# Altium PCB PCB.PcbDoc (continued)
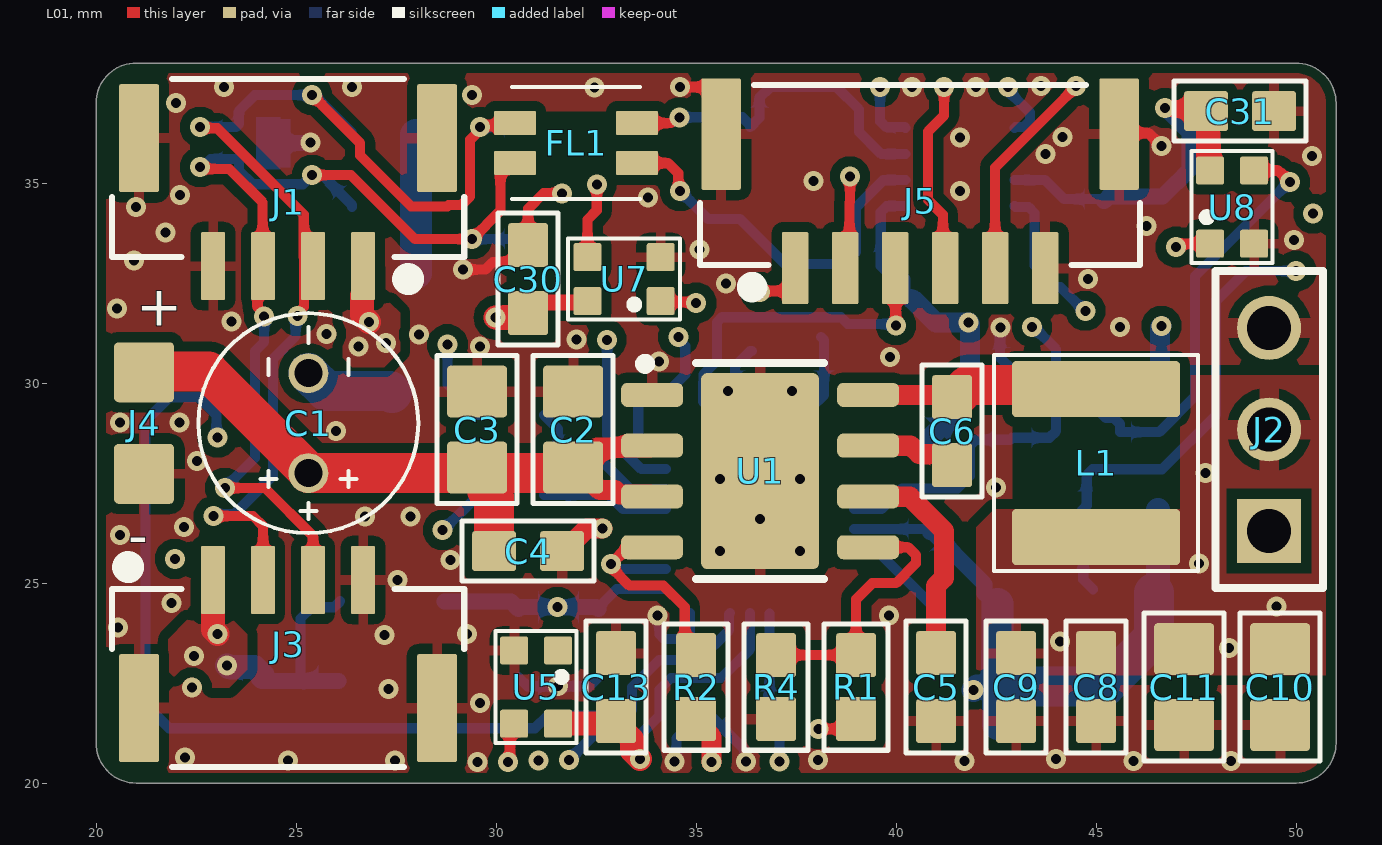
[diagram p0: L01 view]
## Footprints (in the part's own frame and the unit in brackets; to place one, negate y for a bottom-side part, rotate by r counter-clockwise, add the part's x,y. Pads: shape width x height; smd on the part's side, far side on the other; paste and mask are expansions set on the pad) (continued)
SOT-23-5 [mm]
  rrect10% 1.1x0.6 smd: 1(-1.3,0.95) 2(-1.3,0) 3(-1.3,-0.95) 4(1.3,-0.95) 5(1.3,0.95)
  silkscreen extent -1.51,-1.6 1,2.11, body extent -1.4,-1.45 1.4,1.45, height 1.45
STM32L431KCU6-Footprint-1 [mm]
  rrect10% 0.6x0.3 smd: 1(-2.35,1.75) 2(-2.35,1.25) 3(-2.35,0.75) 4(-2.35,0.25) 5(-2.35,-0.25) 6(-2.35,-0.75) 7(-2.35,-1.25) 8(-2.35,-1.75) 17(2.35,-1.75) 18(2.35,-1.25) 19(2.35,-0.75) 20(2.35,-0.25) 21(2.35,0.25) 22(2.35,0.75) 23(2.35,1.25) 24(2.35,1.75)
  rrect10% 0.3x0.6 smd: 9(-1.75,-2.35) 10(-1.25,-2.35) 11(-0.75,-2.35) 12(-0.25,-2.35) 13(0.25,-2.35) 14(0.75,-2.35) 15(1.25,-2.35) 16(1.75,-2.35) 25(1.75,2.35) 26(1.25,2.35) 27(0.75,2.35) 28(0.25,2.35) 29(-0.25,2.35) 30(-0.75,2.35) 31(-1.25,2.35) 32(-1.75,2.35)
  rrect5% 3.45x3.45 smd paste-2539.97: 33(0,0)
  silkscreen extent -3.3,-2.6 2.6,2.65, body extent -2.5,-2.5 2.5,2.5, height 0.61
TJA1051TK_3,118-Footprint-1 [mm]
  rrect15% 0.525x0.3 smd: 1(-1.362,0.975) 2(-1.362,0.325) 3(-1.362,-0.325) 4(-1.362,-0.975) 5(1.362,-0.975) 6(1.362,-0.325) 7(1.362,0.325) 8(1.362,0.975)
  rrect15% 1.65x2.45 smd paste-2539.97: 9(0,0)
  silkscreen extent -2.08,1.5 -1.82,1.75, body extent -1.5,-1.5 1.5,1.5, height 1.01
TYS5040220M-10-Footprint-1 [mm]
  rrect15% 1.4x4.2 smd paste-2539.97: 1(-1.85,0) 2(1.85,0)
  silkscreen extent -2.7,-2.55 2.7,2.55, body extent -2.5,-2.5 2.5,2.5, height 4.16
WS2812B-2020-Footprint-1 [mm]
  rrect15% 0.7x0.7 smd: 1(0.915,-0.55) 2(0.915,0.55) 3(-0.915,0.55) 4(-0.915,-0.55)
  silkscreen extent -1.4,-1.02 1.4,1.02, body extent -1.1,-1 1.1,1, height 0.85

## Part data
C1: library part CMP-00301-1, "CAP ALUM 4.7UF 20% 100V RADIAL", Capacitance=4.7uF, Voltage=100V, Height=11mm
C2: library part CMP-00124-2, "CAP CER 1UF 100V X7S 0805", Case/Package=0805, Tolerance=10%, Voltage Rating=100V, TCR=X7S
C3: library part CMP-00299-1, "CAP CER 0.22UF 100V X7R 0805", Capacitance=220nF, Package=0805, Voltage=100V, TCR=X7R
C4: library part CMP-00249-4, "CAP CER 0.1UF 100V X7R 0603", Package=0603, Temperature Coefficient=X7R, Voltage=100V
C5 C8: library part CMP-00096-4, "CAP CER 1UF 50V X5R 0603", Capacitance=1uF, Dielectric=X5R, Package=0603, Voltage=50V
C6 C9: library part CMP-00018-7, "CAP CER 0.1uF 50V X7R 0603", Capacitance=100nF, Case/Package=0603, Dielectric=X7R, Max Operating Temperature=125°C, Min Operating Temperature=-55°C, Tolerance=10%, Voltage=50V, Depth=0.8mm, Height=0.8mm, Lead Free="Lead Free", Length=1.6mm, Mount="Surface Mount", Voltage Rating (DC)=50V
C10 C11: library part CMP-001-00027-2, "CAP CER 10uF 50V X5R 0805", Case/Package=0805, Dielectric=X5R, Voltage Rating=50V
C13 C22 C30 C31: library part CMP-00057-2, "CAP CER 0.1UF 25V X7R 0603", Capacitance=100nF, Case/Package=0603, Dielectric=X7R, Tolerance=10%, Voltage Rating=25V
C14 C15 C23: library part CMP-001-00003-9, "CAP CER 100nF 16V X7R 0603", Capacitance=100nF, Package=0603, Temperature Coefficient=X7R, Voltage=16V
C16: library part CMP-001-00045-2, "CAP CER 4.7UF 10V X7R 0603", Capacitance=4.7uF, Package=0603, Temperature Coefficient=X7R, Voltage=10V
C19 C20: library part CMP-00240-2, "CAP CER 1UF 25V X7R 0603", Capacitance=1uF, Temperature Coefficient=X7R, Tolerance=10%, Voltage Rating=25V, Mounting Technology="Surface Mount"
C21: library part CMP-001-00036-3, "CAP CER 0.1UF 25V X7R 0603", Capacitance=0.1uF, Package=0603, Temperature Coefficient=X7R, Voltage Rating=25V
C24 C25 C26 C27: library part CMP-00246-3, "CAP CER 22PF 50V C0G/NPO 0603", Package=0603, Temperature Coefficient=C0G,NP0, Tolerance=5%, Voltage=50V
C28: library part CMP-00217-1, "CAP CER 10nF 25V X7R 0603", Capacitance=10nF, Package=0603, Temperature Coefficient=X7R, Voltage Rating=25V
C29: library part CMP-001-00080-1, "CAP CER 4700PF 50V X7R 0603", Capacitor Type=Ceramic, Case/Package=0603, Max Operating Temperature=125°C, Min Operating Temperature=-55°C, Package Shape=Rectangular, Package Style=SMTMeter, Rated DC Voltage (URdc)=50V, Temperature Characteristics Code=X7R, Tolerance  (fill in as +-)=10%, Dielectric Material=Ceramic, Height=0.9mm, JESD-609 Code=e3, Length=1.6mm, Mounting Technology="Surface Mount", Multilayer=Yes, Packaging="Tape and Reel", Pins=2, Reach SVHC Compliant=Yes, Reference Standard=AEC-Q200, RoHS Compliant=Yes, Terminal Finish=Nickel, Termination=Wraparound, Tolerance (fill in as +-)=10%, Width=0.8mm
D3: library part CMP-00239-5, "TVS DIODE 24VWM 43VC DFN1412D-3"
FL1: library part CMP-00243-2, "CMC 50UH 115MA 2LN 2.3KOHM SMD"
J1 J3: library part CMP-068-000000-5, "Conn Shrouded Header HDR 4 POS 1.25mm Solder RA SMD Reel", Entry Type=R/A, Pins=4, Series=JST-GH
  J1: Height=4.35m
J2: library part CMP-00111-3, "CONN HDR 3 POS 2.54", Connector Type="Male Pin", Mount="Through Hole", Pitch=100mil, Positions=3
J4: library part CMP-00296-1, "Solder Pad 2 Pins, 2.54mm pitch, 1.27mm pad size"
J5: library part CMP-002-00014-8, "Connector Header Surface Mount 6 position 0.049\" (1.25mm)", Entry Type=Vert, Pins=6, Series=JST-GH
L1: library part CMP-00298-2, "FIXED IND 22UH 1.5A 129 MOHM SMD", Inductance=22uH, DCR=129mΩ, Saturation=1.5A
Q2: library part CMP-00295-3, "MOSFET N-CH 50V 220MA SOT23-3"
R1: library part CMP-009-00000-5, "GENERIC 0603 RES", Package=0603, Power=?, Resistance=?, Tolerance=?
R2 R4 R5 R10 R11 R12: library part CMP-009-00006-5, "RES 10K OHM 1% 1/10W 0603", Package=0603, Power=1/10W, Resistance=10k, Tolerance=1%
R3: library part CMP-00300-1, "RES 0.22 OHM 1% 1/3W 0805", Package=0805, Power=1/3W, Resistance=220m, Tolerance=1%
R6 R7: library part CMP-009-00084-2, "RES 10 OHM 1% 1/10W 0603", Package=0603, Power=1/10W, Resistance=10, Tolerance=1%
R8 R9: library part CMP-00245-1, "RES 60.4 OHM 1% 1/10W 0603", Power=100mW, Tolerance=1%
U1: library part CMP-00297-1, "IC REG BUCK ADJ 1A 8SOPWR"
U2: library part CMP-00224-6, "IC MCU 32BIT 256KB FLSH 32UFQFPN"
U4: library part CMP-00225-4, "IC REG LINEAR 3.3V 500MA SOT23-5"
U5 U7 U8: library part CMP-00294-3, "LED Neopixel 2mm"
U6: library part CMP-00219-3, "IC TRANSCEIVER HALF 1/1 8HVSON"
X1: library part CMP-00242-3, "OSC XO 8.000MHZ CMOS SMD", Frequence Stability=25ppm, Frequency=8MHz

## Via types
v1: diameter 0.5, hole 0.25, L01 to L06, tented both sides, 137 vias

## Nets (pads, with @x,y where several pads share a name; then routed paths per layer and width w, separated by ;. In a path a pad name is that pad's centre, name@x,y a point inside that pad or via, vN(x,y) a via of type N, cw(c..) or ccw(c..) an arc to the next point about the centre after c; other vN are vias at no path point)
BOOT: C6.2 U1.7 | length 2.3
  L01 w0.5: U1.7 40.365,28.435 40.574,28.226 41.174,28.226 C6.2@41.4,28
BOOT0: R5.2 U2.31 | length 2.4
  L06 w0.254: U2.31 37.873,28.973 37.873,29.235 37.874,29.236 37.874,29.376 38.2,29.702 38.2,31.079 R5.2@38.124,31.155
CAN1_RX: R7.2 U2.21 | length 3.2
  L06 w0.254: R7.2 32.83,27.2 33.18,26.85 U2.21
CAN1_TX: R6.2 U2.22 | length 4
  L06 w0.254: R6.2 31.545,28.855 31.545,28.508 31.853,28.2 32.508,28.2 33.358,27.35 U2.22
CAN_H: C25.2 D3.2 FL1.1 J1.2 J3.2 R9.2 | length 29
  L01 w0.254: v1(22.6,36.4) 22.631,36.369 23.031,36.369 25.193,34.207 25.193,33.156 25.225,33.124 25.195,33.094 25.195,31.902 25.034,31.741 v1(25.034,31.674) ; v1(22.938,26.675) 23.925,26.675 24.175,26.425 J3.2 ; v1(25.4,37.2) 26.6,36 26.6,35.69 27.873,34.417 28.777,34.417 28.809,34.448 29.131,34.448 29.351,34.669 29.351,36.084 29.647,36.381 29.647,36.447 30.422,36.447 FL1.1
  L06 w0.254: v1(22.6,36.4) D3.2 23.5,36.4 23.573,36.473 23.573,36.805 23.968,37.2 v1(25.4,37.2) 25.45,37.2 26.4,36.25 R9.2 ; v1(22.938,26.675) 22.985,26.722 23.455,26.722 24.425,27.692 24.425,30.612 24.987,31.174 24.987,31.627 v1(25.034,31.674) ; v1(29.6,36.4) C25.2
CAN_H_FILT: C27.2 FL1.4 U6.7 | length 8.5
  L01 w0.254: FL1.4 FL1.4 34.373,36.499 34.519,36.645 v1(34.586,36.645)
  L06 w0.254: v1(34.586,36.645) 36.155,36.645 C27.2@36.303,36.497 ; C27.2 36.583,36.633 36.583,37.132 36.851,37.4 38.517,37.4 39.075,36.842 39.075,36.283 39.632,35.725 U6.7
CAN_L: C24.2 D3.1 FL1.2 J1.3 J3.3 R8.2 | length 26.4
  L01 w0.254: v1(22.6,35.4) 22.647,35.353 23.329,35.353 24.164,34.518 J1.3@24.164,32.936 ; v1(23.218,27.378) 24.222,27.378 25.425,26.175 J3.3 ; J1.3@24.13,32.969 24.036,32.876 24.036,31.893 24.201,31.729 v1(24.201,31.663) ; v1(25.4,35.2) 26.371,35.2 27.971,33.6 v1(29.4,33.6) 30.107,34.307 30.107,35.327 30.28,35.5 FL1.2
  L06 w0.254: v1(22.6,35.4) 22.662,35.4 22.862,35.6 23.5,35.6 23.573,35.527 23.573,35.316 23.92,34.969 25.169,34.969 v1(25.4,35.2) ; v1(23.218,27.378) 23.972,28.132 23.972,30.8 24.201,31.028 v1(24.201,31.663) ; 25.697,35.153 26.4,34.45 R8.2 ; v1(29.4,33.6) 30.55,33.6 C24.2
CAN_L_FILT: C26.2 FL1.3 U6.6 | length 9.5
  L01 w0.254: FL1.3 34.3,35.5 34.553,35.247 34.553,34.847 v1(34.6,34.8)
  L06 w0.254: v1(34.6,34.8) 35.302,34.098 36.102,34.098 37.226,32.974 38.691,32.974 39,33.283 39,34.4 39.675,35.075 U6.6
DI_A: Q2.D R12.1 U8.3 | length 11.5
  L01 w0.254: U8.3 49.558,35.315 v1(49.848,35.025)
  L06 w0.254: R12.1@44.924,30.245 44.924,29.451 45.252,29.123 45.447,29.123 45.6,28.97 Q2.D 46.575,28.775 47.476,29.676 47.476,32.676 49.825,35.025 v1(49.848,35.025)
DI_B: U7.3 U8.1 | length 19.8
  L01 w0.254: U7.3 32.285,34.085 32.518,34.318 v1(32.518,34.963) ; v1(47,33.4) 47.085,33.485 U8.1
  L03 w0.254: v1(32.518,34.963) 32.518,34.482 33,34 35.6,34 37.4,35.8 39.4,35.8 41.4,33.8 45.2,33.8 45.701,33.299 46.523,33.299 46.577,33.353 46.953,33.353 v1(47,33.4)
DI_C: U5.3 U7.1 | length 112.6
  L01 w0.254: v1(30.301,20.527) 30.348,20.574 30.348,21.262 30.371,21.285 U5.3@30.45,21.285 ; U7.1 34.14,32.025 34.975,32.025 v1(35,32)
  L03 w0.254: v1(35,32) 34.4,32 33.4,31 33.4,30.6 33.2,30.4 31.803,30.4 31.38,30.823 31.38,31.801 31.4,31.821 31.4,32.8 29.8,34.4 28.607,34.4 27.889,33.682 23.412,33.682 21.947,32.217 21.947,30.806 24.4,28.353 24.4,26.72 26.52,24.6 26.6,24.6 26.867,24.333 27.472,24.333 27.538,24.4 28.4,24.4 28.441,24.359 29.531,24.359 30.228,23.662 32.736,23.662 32.838,23.56 36.36,23.56 39.295,26.495 43.895,26.495 48,30.6 48,32 49.2,33.2 49.2,33.724 49.71,34.234 v1(50.428,34.234)
  L04 w0.254: v1(30.301,20.527) 30.301,20.593 30.167,20.727 30.167,20.788 29.682,21.273 24.946,21.273 21.964,21.273 21.487,21.273 21.184,21.575 21.184,25.892 21.326,26.034 21.326,29.256 21.2,29.382 21.2,32.2 23.4,34.4 26,34.4 27.369,35.769 36.4,35.769 37.4,36.769 43.885,36.769 43.908,36.792 44.756,36.792 44.764,36.8 45,36.8 45.706,37.506 47.094,37.506 49.2,35.4 49.2,34.6 49.586,34.214 50.408,34.214 v1(50.428,34.234)
FB_1V0: R1.1 R4.2 U1.5 | length 7
  L01 w0.254: R4.2@36.8,23.2 38.8,23.2 R1.1@38.982,23.382 ; R1.1 39,24.6 39.4,25 40,25 40.495,25.495 40.495,25.705 40.307,25.893 39.302,25.893 U1.5
GND: C2.1 C3.1 C4.1 C5.1 C8.1 C9.1 C10.1 C11.1 C13.1 C14.1 C15.1 C16.1 C19.1 C20.1 C21.1 C22.1 C23.1 C24.1 C25.1 C26.1 C27.1 C28.1 C29.1 C30.1 C31.1 D3.3 J1.4 J1.5 J1.6 J2.3 J3.4 J3.5 J3.6 J4.2 J5.6 J5.7 J5.8 R3.1 R4.1 R5.1 R10.1 U1.1 U1.9 U2.16 U2.32 U2.33 U4.2 U5.2 U6.2 U6.9 U7.2 U8.2 X1.2 | length 19
  L01 w0.254: v1(29.176,32.836) 29.729,32.836 29.92,33.027 30.427,33.027 30.8,33.4 30.8,34.359 31.186,34.745 v1(31.651,34.745) ; v1(34.6,37.4) 35.257,37.4 35.625,37.032 J5.8@35.625,36.424 ; J5.7@45.575,36.424 45.744,36.255 46.303,36.255 v1(46.636,35.921)
  L01 w0.5: C4.1 31.7,25.8 32.26,26.36 v1(32.656,26.36)
  L06 w0.254: C20.1 30.789,22.421 v1(31.554,22.421) 32.33,22.421 C14.1 ; v1(34.036,24.191) 34.083,24.144 34.083,23.717 34.2,23.6 34.701,23.6 34.85,23.749 U2.16 ; v1(34.461,20.542) 34.508,20.59 34.508,21.108 34.777,21.377 34.777,21.427 35.15,21.8 R10.1 35.25,21.8 36.201,20.849 36.201,20.583 v1(36.248,20.536) ; v1(35.8,29.8) 35.8,29.867 35.977,30.044 35.977,30.427 36.35,30.8 R5.1 ; v1@42.596,31.374 42.596,30.637 C21.1
  L06 w0.4: D3.3 25.348,36 v1(25.36,36.011)
  other v1: 29.536,20.527 41.707,20.553 45.937,20.553 48.369,20.555 24.794,20.563 27.467,20.562 31.061,20.567 38.051,20.579 44,20.6 22.226,20.642 29.6,22 27.308,22.357 22.395,22.386 27.21,23.702 29.27,23.728 20.553,23.888 39.818,24.185 21.887,24.508 27.533,25.079 28.856,25.574 35.6,25.8 37.6,25.8 20.6,26.2 22.2,26.4 36.6,26.6 26.724,26.668 27.86,26.66 42.496,27.393 35.6,27.6 37.6,27.6 22.527,28.054 26,28.8 20.593,29.011 22.091,29.014 37.4,29.8 34.067,30.54 39.845,30.656 29.594,30.92 32.011,31.084 25.755,31.228 28.07,31.213 42.609,31.387 45.6,31.4 23.38,31.544 20.518,31.859 35.75,32.49 44.8,32.6 20.947,33.059 35.084,33.335 49.951,33.583 21.73,33.761 46.261,33.93 21,34.4 33.794,34.642 22.103,34.698 41.6,34.8 37.932,35.054 50.393,35.675 43.735,35.73 41.599,36.138 44.159,36.151 22,37 29.4,37.2 23.2,37.4 26.4,37.4 32.457,37.395 40.4,37.4 42,37.4 43.62,37.421
HSE_8MHZ: U2.6 X1.3 | length 2.4
  L06 w0.254: U2.6 38.973,25.827 39.506,25.827 X1.3@40.838,24.495
NEOPIXEL: Q2.S R11.1 U2.14 | length 75.5
  L03 w0.254: v1(23.036,28.635) 23.849,27.822 23.849,25.65 26.428,23.071 27.485,23.071 27.505,23.052 29.119,23.052 29.151,23.084 32.186,23.084 32.646,22.625 36.461,22.625 39.437,25.6 44.4,25.6 46.11,27.31 46.11,27.91 48.22,30.02 49.636,30.02 50.506,30.89 50.506,32.294 v1(50,32.8)
  L06 w0.254: v1(23.036,28.635) 23.007,28.664 23.007,29.204 22.566,29.645 21.83,29.645 21.233,29.048 21.233,21.967 21.831,21.369 30.969,21.369 31.284,21.684 33.251,21.684 33.4,21.833 33.4,22.4 34.079,23.079 35.081,23.079 35.827,23.825 35.827,24.227 U2.14 ; Q2.S 44.767,26.942 44.767,27.698 44.916,27.847 46.647,27.847 48,29.2 48,32.057 48.743,32.8 v1(50,32.8) ; Q2.S@44.722,26.63 44.68,26.588 44.68,25.088 R11.1@44.924,24.845
NetC1_2: C1.2 R3.2 | length 2.3
  L06 w1: C1.2 25.749,29.804 27.346,29.804 R3.2
NetC29_2: C29.2 R8.1 R9.1 | length 3.4
  L06 w0.8: C29.2@28,32.752 28,34.2 R9.1
NRST: C21.2 J5.2 U2.4 | length 18.1
  L01 w0.254: J5.2 38.833,32.982 38.833,34.515 38.848,34.53 v1(38.848,35.165)
  L03 w0.254: v1(38.848,35.165) 38.848,34.4 40.301,32.947 41.941,32.947 43.24,31.648 43.24,31.627 43.4,31.467 v1(43.4,31.4)
  L06 w0.254: U2.4 39.631,26.85 40.149,27.368 41.534,27.368 41.849,27.683 41.849,28.434 41.998,28.583 42.85,28.583 C21.2 43.833,28.633 44,28.8 44,30.843 43.443,31.4 v1(43.4,31.4)
PG: R2.1 U1.4 U2.18 | length 6.3
  L01 w0.254: U1.4@33.885,25.91 33.711,25.736 33.132,25.736 v1(32.873,25.477) 32.873,25.396 33.332,24.937 34.183,24.937 34.717,24.403 34.717,23.483 R2.1
  L06 w0.254: v1(32.873,25.477) 32.939,25.477 33.066,25.35 U2.18
PWR_3V3: C14.2 C15.2 C16.2 C20.2 C23.2 C28.2 J5.1 Q2.G R2.2 R11.2 U2.1 U2.5 U2.17 U4.4 U6.5 X1.1 X1.4 | length 34.6
  L01 w0.254: v1(36.6,32.277) 36.628,32.304 37.272,32.304 37.475,32.508 J5.1@37.475,33.074
  L01 w0.5: R2.2 35.25,21.35 35.25,21.293 35.388,21.155 v1(35.388,20.529)
  L06 w0.254: C14.2 32.66,24.45 32.66,24.5 33.01,24.85 U2.17 ; U2.5 40.783,26.35 C16.2 ; U2.1 40.617,28.35 C15.2@40.8,28.533 ; C23.2@39.95,32.6 39.616,32.934 39.616,34.276 39.764,34.425 U6.5
  L06 w0.4: U4.4@28.709,24.541 30.368,24.541 C20.2 ; C20.2@30.56,24.4 v1(31.535,24.4) 32.51,24.4 C14.2 ; C23.2 40.164,32.586 40.164,32.15 ; 40.361,32.15 40.416,32.095 ; C16.2 40.9,26.283 42.213,24.97 42.213,24.745 42.481,24.477 X1.4@42.531,24.477
  L06 w0.5: 40.416,32.095 41,31.511 v1(41.815,31.511) 41.849,31.477 41.849,29.632 40.9,28.683 C15.2
  L06 w0.6: v1(41.937,22.333) 42.022,22.417 42.333,22.417 ; R11.2 46.549,24.949 Q2.G@46.549,26.65 ; Q2.G@46.55,26.651 Q2.G
  L06 w0.8: 42.333,22.417 42.522,22.417 ; 42.522,22.387 42.522,22.417 ; X1.1@42.522,23.27 42.522,22.417 ; X1.1@42.531,23.27 X1.4@42.531,24.477 ; C28.2 42.55,22.337 ; R11.2 R11.2@46.448,24.752
  L06 w1: 42.522,22.417 45.217,22.417 46.448,23.648 R11.2@46.448,24.752
PWR_5V: C13.2 C19.2 C22.2 C30.2 C31.2 J1.1 J3.1 R12.2 U4.1 U4.3 U5.4 U6.3 U7.4 U8.4 | length 23.5
  L01 w0.4: C30.2 31.063,32.013 32.048,32.013 U7.4@32.085,32.05 ; v1(46.729,36.875) 46.748,36.856 47.694,36.856 C31.2
  L01 w0.6: J3.1 22.925,23.839 v1(23.039,23.725) ; J1.1@26.675,32.897 26.675,32.216 26.654,32.195 26.654,31.698 v1(26.823,31.529) ; v1(29.988,31.639) 30.689,31.639 C30.2 ; U5.4 C13.2@32.935,21.485 ; C13.2@33.003,21.497 33.4,21.1 33.4,20.8 v1(33.6,20.6) ; C31.2@47.8,36.7 47.8,35.365 U8.4
  L06 w0.254: 25.11,22.6 25.11,24.116 25.39,24.396 25.946,24.396 U4.3 ; U6.3 43.725,35.075 44.2,34.6 45.15,34.6 C22.2 ; 46.992,35 47,35
  L06 w0.4: C19.2 24.26,22.55 25.11,22.55 U4.1@26.06,22.55 ; C22.2 45.312,34.662 46.654,34.662 46.992,35 ; v1(46.729,36.875) 47.34,36.263 47.34,35.34 47,35
  L06 w0.5: R12.2 46.6,31.394 v1(46.635,31.429)
  L06 w0.6: v1(23.277,22.939) 23.316,22.9 23.96,22.9 24.16,22.7 C19.2
  other v1: 22.446,23.183 26.555,30.91 27.243,30.998
SERVO_PWM: J2.1 U2.13 | length 55
  L03 w0.254: v1(21.972,25.604) 23.167,25.604 27.046,21.726 28.433,21.726 29.339,22.631 30.169,22.631 31.01,21.79 32.641,21.79 32.651,21.8 36.54,21.8 39.556,24.816 40.079,24.816 40.095,24.8 44.8,24.8 46.299,26.299 J2.1
  L04 w0.254: v1(21.972,25.604) 22.019,25.557 22.474,25.557 22.715,25.315 22.715,24.383 21.637,23.304 21.637,21.923 21.835,21.726 25.134,21.726 27.926,21.726 28.831,22.631 30.201,22.631 31.846,20.986 31.846,20.602 v1(31.827,20.582)
  L06 w0.254: v1(31.827,20.582) 32.476,21.231 33.63,21.231 34.087,21.688 34.087,22.338 34.375,22.626 35.626,22.626 36.35,23.35 U2.13
SW_400KHZ: C6.1 L1.1 U1.8 | length 5.9
  L01 w0.5: U1.8 41.295,29.705 C6.1@41.4,29.6
  L01 w1: C6.1@41.4,29.6 41.45,29.6 41.804,29.954 44.896,29.954 L1.1
SWCLK: J5.5 U2.24 | length 68.9
  L01 w0.254: J5.5@42.475,33.074 42.475,35.388 43.938,36.851 43.943,36.851 44.231,37.139 44.231,37.144 44.495,37.408 v1(44.495,37.423)
  L03 w0.254: v1(34.56,31.155) 35.028,30.687 35.028,30.228 34.6,29.8 31.4,29.8 30.8,30.4 30.8,31.8 30.33,32.27 29.501,32.27 29.231,32 27.6,32 26.6,33 23.651,33 22.583,31.932 22.583,31.057 23.02,30.62 24.241,29.4 24.907,29.4 24.941,29.366 25.671,29.366 25.736,29.431 26.369,29.431 26.8,29 26.8,28 26.093,27.293 26.093,26.267 26.323,26.037 26.986,26.037 27.067,26.118 27.419,26.118 28.63,24.907 29.507,24.907 29.631,25.031 32.241,25.031 32.426,24.846 34.646,24.846 34.969,25.169 36.061,25.169 37.4,26.508 37.861,26.969 38.169,26.969 39.263,28.063 44.263,28.063 47.266,31.066 47.266,31.907 48.449,33.089 48.449,34.551 47.8,35.2 46.2,35.2 44.495,36.905 v1(44.495,37.423)
  L06 w0.254: U2.24 34.227,28.373 33.749,28.373 33.555,28.567 33.555,29.555 33.846,29.846 34.359,29.846 34.729,30.215 34.729,30.919 34.56,31.089 v1(34.56,31.155)
SWDIO: J5.4 U2.23 | length 25.1
  L01 w0.254: v1(41.2,37.4) 41.2,36.692 40.8,36.292 40.8,34.578 41.171,34.208 41.171,33.128 J5.4@41.225,33.074
  L03 w0.254: v1(32.768,31.078) 32.815,31.125 32.815,32.385 31,34.2 31,34.986 31.761,35.747 32.612,35.747 32.765,35.594 32.779,35.594 32.943,35.431 35.631,35.431 36.8,36.6 40.623,36.6 41.11,37.087 41.11,37.244 41.2,37.333 v1(41.2,37.4)
  L06 w0.254: v1(32.768,31.078) 32.778,31.068 32.778,28.704 33.631,27.85 U2.23
SWO: J5.3 U2.26 | length 9
  L01 w0.254: v1@39.987,31.458 J5.3@39.987,33.062
  L01 w0.4: J5.3@39.975,33.074 J5.3@39.987,33.062 ; v1@39.987,31.458 v1(39.999,31.446)
  L06 w0.254: U2.26 35.327,28.973 35.327,29.381 35.169,29.539 35.169,30.015 35.182,30.028 35.182,30.213 35.524,30.555 35.524,31.524 35.646,31.646 38.621,31.646 38.792,31.475 39.969,31.475 v1(39.999,31.446)
TJA1051_RX: R7.1 U6.4 | length 24.2
  L03 w0.254: v1(28.665,26.326) 30.338,28 33.8,28 34.347,28.547 38.747,28.547 39.147,28.947 43.41,28.947 44.733,30.27 v1(44.733,31.806)
  L06 w0.254: v1(28.665,26.326) 28.676,26.326 29.55,27.2 R7.1 ; U6.4 42.985,34.402 43.314,34.402 43.462,34.253 43.462,32.938 44.004,32.396 44.112,32.396 44.701,31.806 v1(44.733,31.806)
TJA1051_SLEEP: R10.2 U2.12 U6.8 | length 52.6
  L03 w0.254: v1(37.088,20.536) 37.088,20.587 36.412,21.264 26.443,21.264 25.854,21.854 23.899,21.854 23.8,21.755 21.845,21.755 21.2,22.4 21.2,25.908 21.231,25.939 21.231,29.265 21.2,29.296 21.2,32.339 23.167,34.306 26.539,34.306 27.634,35.4 30.308,35.4 31.374,36.467 33.039,36.467 33.506,36 35,36 36.4,37.4 v1(39.6,37.4)
  L06 w0.254: R10.2 37.088,21.512 v1(37.088,20.536) ; R10.2@36.806,22.206 36.834,22.234 U2.12@36.834,24.234 ; v1(39.6,37.4) 39.6,36.547 39.749,36.398 40.215,36.398 U6.8
TJA1051_TX: R6.1 U6.1 | length 35.3
  L03 w0.254: v1@28.8,31 28.847,30.953 28.847,30.553 30.947,28.453 33.494,28.453 34.041,29 38.2,29 39.002,29.802 42.694,29.802 44.031,31.139 44.031,32.723 44.539,33.231 45.128,33.231 45.652,32.708 47.2,32.708 47.631,33.139 47.631,34.169 47.2,34.6 43.8,34.6 42.8,35.6 v1(42.8,37.4)
  L06 w0.254: v1(28.785,30.962) 28.785,29.965 29.55,29.2 R6.1 ; v1(42.8,37.4) 42.847,37.353 42.847,37.261 43.35,36.757 43.35,36.547 43.202,36.398 42.985,36.398 U6.1
VBATT: C1.1 C2.2 C3.2 C4.2 J4.1 U1.2 U1.3 | length 18.3
  L01 w0.5: U1.3 33.85,27.215 33.083,27.215 32.975,27.322 32.592,27.322 C2.2@32.025,27.889 ; U1.2 33.85,28.385 32.521,28.385 C2.2@32.025,27.889 ; C2.2@32.025,27.889 C2.2 C2.2@32.025,27.889
  L01 w1: J4.1 21.214,30.284 22.807,30.284 25.306,27.785 C1.1 C3.2@29.767,27.747 ; C4.2 29.95,27.153 29.775,27.328 29.775,27.739 C3.2@29.767,27.747 ; C2.2@31.925,27.747 C3.2@29.767,27.747
VCC: C5.2 U1.6 | length 5.4
  L01 w0.5: U1.6 39.304,27.161 40.344,27.161 41.2,26.305 41.2,25.132 41,24.932 C5.2
VOUT: C8.2 C9.2 C10.2 C11.2 J2.2 L1.2 R1.2 | length 8
  L01 w0.254: v1(38.059,21.354) 38.754,21.354 R1.2
  L03 w0.254: v1(38.059,21.354) 40.245,23.54 v1(44.101,23.54)
  other v1: 48.322,23.38 49.513,24.415 47.574,25.494 47.731,27.758
pads on no net: U2.2 U2.3 U2.7 U2.8 U2.9 U2.10 U2.11 U2.15 U2.19 U2.20 U2.25 U2.27 U2.28 U2.29 U2.30 U4.5 U5.1

## Polygon pours and split planes (outlines as drawn)
GND on L01 "NONET_L-01_P-001" (solid, remove dead copper, pour order 14): 20,20 20,38 51,38 51,20
PWR_5V on L01 "NONET_L-01_P-001" (solid, remove dead copper, pour order 2): 26.167,32.2 27.159,32.2 27.6,31.759 27.6,30.798 27.202,30.4 26.4,30.4 26.167,30.633
PWR_5V on L01 "NONET_L-01_P-001" (solid, remove dead copper, pour order 4): 21.8,23.6 22.442,24.242 23.26,24.242 23.781,23.721 23.781,22.839 23.327,22.386 22.214,22.386 21.8,22.8
VOUT on L01 "NONET_L-01_P-001" (solid, remove dead copper, pour order 13): 42,26.4 42.45,26.85 46.45,26.85 47.1,27.5 47.1,30.019 47.281,30.2 51,30.2 51,22.7 42,22.7
GND on L06 "NONET_L-01_P-001" (solid, remove dead copper, pour order 7): 20,20 20,38 51,38 51,20
VOUT on L06 "NONET_L-01_P-001" (solid, remove dead copper, pour order 3): 42,26.4 42.45,26.85 46.45,26.85 47.1,27.5 47.1,30.019 47.281,30.2 51,30.2 51,22.7 42,22.7
GND on L03 "NONET_L-01_P-001" (solid, remove dead copper, pour order 8): 20,20 20,38 51,38 51,20
VOUT on L03 "NONET_L-01_P-001" (solid, remove dead copper, pour order 6): 42,24.4 44,24.4 47.1,27.5 47.1,30.019 47.281,30.2 51,30.2 51,22.7 42,22.7
GND on L04 "NONET_L-01_P-001" (solid, remove dead copper, pour order 12): 20,20 20,38 51,38 51,20
PWR_5V on L04 "NONET_L-01_P-001" (solid, remove dead copper, pour order 5): 34,20 34,22.2 32.4,23.8 31.2,23.8 30.6,24.4 30.6,27.4 36.2,33 41.8,33 42.6,32.2 42.6,30.8 43.06,30.34 51,30.34 51,33.8 49.6,33.8 48.8,34.6 48.8,35.4 47,37.2 45.8,37.2 44.8,36.2 44.6,36.4 37.6,36.4 36.4,35.2 36.2,35.4 27.6,35.4 26.2,34 23.8,34 21.6,31.8 21.6,26.4 22,26 22.8,26 22.8,25.4 23,25.2 23,24.2 22,23.2 22,22.2 22.2,22 27.8,22 28.8,23 30.2,23 32.2,21 32.2,20
VOUT on L04 "NONET_L-01_P-001" (solid, remove dead copper, pour order 11): 42,30.2 47.281,30.2 51,30.2 51,22.7 42,22.7
PWR_3V3 on L04 "NONET_L-01_P-001" (solid, remove dead copper, pour order 10): 30.8,27 36.6,32.8 41.6,32.8 42.4,32 42.4,27.2 41.8,26.6 41.8,23 42.6,22.2 42.6,20 30.8,20
GND on L02 "NONET_L-01_P-001" (solid, remove dead copper, pour order 0): 20,20 20,38 51,38 51,20
GND on L05 "NONET_L-01_P-001" (solid, remove dead copper, pour order 1): 20,20 20,38 51,38 51,20

## Other copper
L01:
  pour cut-out: 31,36.8 31,35.2 33,35.2 33,36.8
  pour cut-out: 42.9,29.15 42.9,26.85 47.1,26.85 47.1,29.15

## Silkscreen, mask and mechanical layers (free items; w line width, h text height)
Top Overlay:
  text "+" at 21,31.433 h1
  text "-" at 20.8,25.7 h1
Bottom Overlay:
  text "Daniel Puratich" at 21.6,36.2 h1 r90
  text "WARG F24" at 23.4,33.2 h1 r90
  text "-" at 48.234,31.111 h1
  text "+" at 48.237,28.447 h1
  text "S" at 48.251,25.705 h1
Top Paste:
  rectangle: 43.133,25.601 44.71,26.665
  region: 46.843,26.665 45.21,26.665 45.21,25.601 46.843,25.601
  region: 46.855,30.4 45.222,30.4 45.222,29.336 46.855,29.336
  rectangle: 43.145,29.336 44.722,30.4
  region: 37.819,26.995 37.183,26.995 37.183,26.367 37.819,26.367
  rectangle: 36.277,25.552 36.912,26.18
  rectangle: 35.381,26.367 36.017,26.995
  rectangle: 36.284,27.08 36.92,27.707
  region: 37.8,29.4 36.8,29.4 36.8,28.2 37.8,28.2
  rectangle: 35.4,28.2 36.4,29.4
Bottom Paste:
  rectangle: 41.8,35.076 42.4,35.825
  rectangle: 40.866,34.267 41.29,34.827
  region: 42.334,34.827 41.91,34.827 41.91,34.267 42.334,34.267
  region: 42.334,36.533 41.91,36.533 41.91,35.973 42.334,35.973
  rectangle: 40.866,35.973 41.29,36.533
  region: 41.4,35.825 40.8,35.825 40.8,35.076 41.4,35.076
  region: 36.05,28.247 36.05,26.999 37.15,26.999 37.15,28.247
  region: 38.215,27.205 37.015,27.205 37.015,26.141 38.215,26.141
  region: 37.192,25.017 37.192,26.217 35.964,26.217 35.964,25.017
  rectangle: 35,26.161 36.2,27.2
Top Solder:
  lines w0.2: 23.6,35.6 25.8,35.6 ccw(c24.9,35.6) 24.211,36.179 cw(c23.911,36.179) 23.911,36.479 23.911,37.245
Drill Guide:
  drawing of 559 lines, arcs and shapes, not listed
  text "Layer" at 52.714,42.499 h0.3
  text "Name" at 54.864,42.499 h0.3
  text "Material" at 59.613,42.499 h0.3
  text "Thickness" at 64.011,42.499 h0.3
  text "Constant" at 67.361,42.499 h0.3
  text "Board Layer Stack" at 70.31,42.499 h0.3
  text "Top Overlay" at 54.864,41.899 h0.3
  text "Top Solder" at 54.864,41.299 h0.3
  text "Solder Resist" at 59.613,41.299 h0.3
  text "0.40mil" at 64.011,41.299 h0.3
  text "3.5" at 67.361,41.299 h0.3
  text "1" at 52.714,40.699 h0.3
  text "L01" at 54.864,40.699 h0.3
  text "1.40mil" at 64.011,40.699 h0.3
  text "Dielectric 1" at 54.864,40.099 h0.3
  text "PP-006" at 59.613,40.099 h0.3
  text "2.80mil" at 64.011,40.099 h0.3
  text "4.1" at 67.361,40.099 h0.3
  text "2" at 52.714,39.499 h0.3
  text "L02" at 54.864,39.499 h0.3
  text "CF-004" at 59.613,39.499 h0.3
  text "1.38mil" at 64.011,39.499 h0.3
  text "Dielectric 2" at 54.864,38.899 h0.3
  text "PP-006" at 59.613,38.899 h0.3
  text "2.80mil" at 64.011,38.899 h0.3
  text "4.1" at 67.361,38.899 h0.3
  text "3" at 52.714,38.299 h0.3
  text "L03" at 54.864,38.299 h0.3
  text "CF-004" at 59.613,38.299 h0.3
  text "1.38mil" at 64.011,38.299 h0.3
  text "Core" at 54.864,37.699 h0.3
  text "FR-4" at 59.613,37.699 h0.3
  text "12.60mil" at 64.011,37.699 h0.3
  text "4.8" at 67.361,37.699 h0.3
  text "4" at 52.714,37.099 h0.3
  text "L04" at 54.864,37.099 h0.3
  text "CF-004" at 59.613,37.099 h0.3
  text "1.38mil" at 64.011,37.099 h0.3
  text "Dielectric 3" at 54.864,36.499 h0.3
  text "PP-006" at 59.613,36.499 h0.3
  text "2.80mil" at 64.011,36.499 h0.3
  text "4.1" at 67.361,36.499 h0.3
  text "5" at 52.714,35.899 h0.3
  text "L05" at 54.864,35.899 h0.3
  text "CF-004" at 59.613,35.899 h0.3
  text "1.38mil" at 64.011,35.899 h0.3
  text "Dielectric 4" at 54.864,35.299 h0.3
  text "PP-006" at 59.613,35.299 h0.3
  text "2.80mil" at 64.011,35.299 h0.3
  text "4.1" at 67.361,35.299 h0.3
  text "6" at 52.714,34.699 h0.3
  text "L06" at 54.864,34.699 h0.3
  text "1.40mil" at 64.011,34.699 h0.3
  text "Bottom Solder" at 54.864,34.099 h0.3
  text "Solder Resist" at 59.613,34.099 h0.3
  text "0.40mil" at 64.011,34.099 h0.3
  text "3.5" at 67.361,34.099 h0.3
  text "Bottom Overlay" at 54.864,33.499 h0.3
M1 Board Outline:
  the board outline again, w0.1
Drill Drawing:
  circle w0.03: c19.791,41.185 r0.076
  lines w0.03: 19.715,41.488 19.753,41.488 19.791,41.45 19.829,41.488 19.867,41.488 19.829,41.526 19.867,41.564 19.829,41.564 19.791,41.602 19.753,41.564 19.715,41.564 19.753,41.526 19.715,41.488 ; 19.715,41.791 19.867,41.791 19.867,41.943 19.715,41.943 19.715,41.791
  lines w0.1: 19.577,41.006 50.902,41.006 ; 19.577,42.03 50.902,42.03 ; 20.854,40.665 20.854,42.372 ; 22.21,40.665 22.21,42.372 ; 24.727,40.665 24.727,42.372 ; 25.902,40.665 25.902,42.372 ; 27.595,40.665 27.595,42.372 ; 30.325,40.665 30.325,42.372 ; 31.691,40.665 31.691,42.372 ; 33.411,40.665 33.411,42.372 ; 37.612,40.665 37.612,42.372 ; 39.578,40.665 39.578,42.372 ; 42.636,40.665 42.636,42.372 ; 45.694,40.665 45.694,42.372 ; 47.687,40.665 47.687,42.372 ; 19.577,40.665 50.902,40.665 50.902,42.372 19.577,42.372 19.577,40.665
  text "Symbol" at 19.782,42.133 h0.16
  text "Count" at 20.956,42.133 h0.16
  text "Hole Size" at 22.313,42.133 h0.16
  text "Plated" at 24.83,42.133 h0.16
  text "Hole Type" at 26.004,42.133 h0.16
  text "Drill Layer Pair" at 27.697,42.133 h0.16
  text "Via/Pad" at 30.428,42.133 h0.16
  text "Pad Shape" at 31.793,42.133 h0.16
  text "Template" at 33.514,42.133 h0.16
  text "Description" at 37.714,42.133 h0.16
  text "Hole Tolerance (+)" at 39.68,42.133 h0.16
  text "Hole Tolerance (-)" at 42.738,42.133 h0.16
  text "Hole Length" at 45.796,42.133 h0.16
  text "Routed Path Length" at 47.789,42.133 h0.16
  text "2" at 20.956,41.791 h0.14
  text "0.700mm (27.56mil)" at 22.313,41.791 h0.14
  text "PTH" at 24.83,41.791 h0.14
  text "Round" at 26.004,41.791 h0.14
  text "L01 - L06" at 27.697,41.791 h0.14
  text "Pad" at 30.428,41.791 h0.14
  text "Rounded" at 31.793,41.791 h0.14
  text "c100h70" at 33.514,41.791 h0.14
  text "-" at 45.796,41.791 h0.14
  text "-" at 47.789,41.791 h0.14
  text "3" at 20.956,41.45 h0.14
  text "1.100mm (43.31mil)" at 22.313,41.45 h0.14
  text "PTH" at 24.83,41.45 h0.14
  text "Round" at 26.004,41.45 h0.14
  text "L01 - L06" at 27.697,41.45 h0.14
  text "Pad" at 30.428,41.45 h0.14
  text "(Mixed)" at 31.793,41.45 h0.14
  text "(Mixed)" at 33.514,41.45 h0.14
  text "-" at 45.796,41.45 h0.14
  text "-" at 47.789,41.45 h0.14
  text "137" at 20.956,41.109 h0.14
  text "0.250mm (9.84mil)" at 22.313,41.109 h0.14
  text "PTH" at 24.83,41.109 h0.14
  text "Round" at 26.004,41.109 h0.14
  text "L01 - L06" at 27.697,41.109 h0.14
  text "Via" at 30.428,41.109 h0.14
  text "Rounded" at 31.793,41.109 h0.14
  text "v50h25m0mx0(Tol5-5)_2670034071" at 33.514,41.109 h0.14
  text "0.050mm (1.97mil)" at 39.68,41.109 h0.14
  text "0.050mm (1.97mil)" at 42.738,41.109 h0.14
  text "-" at 45.796,41.109 h0.14
  text "-" at 47.789,41.109 h0.14
  text "142 Total" at 20.956,40.767 h0.14